# Altium PCB FlatLamp.PcbDoc
Units mm, origin at the board's own origin, x right, y up, seen from the top; angles counter-clockwise.
Board outline 40.02 x 40.01 mm, 2 copper layers (Top Layer, Bottom Layer); 38 components, 24 nets, 162 pads, 19 vias.
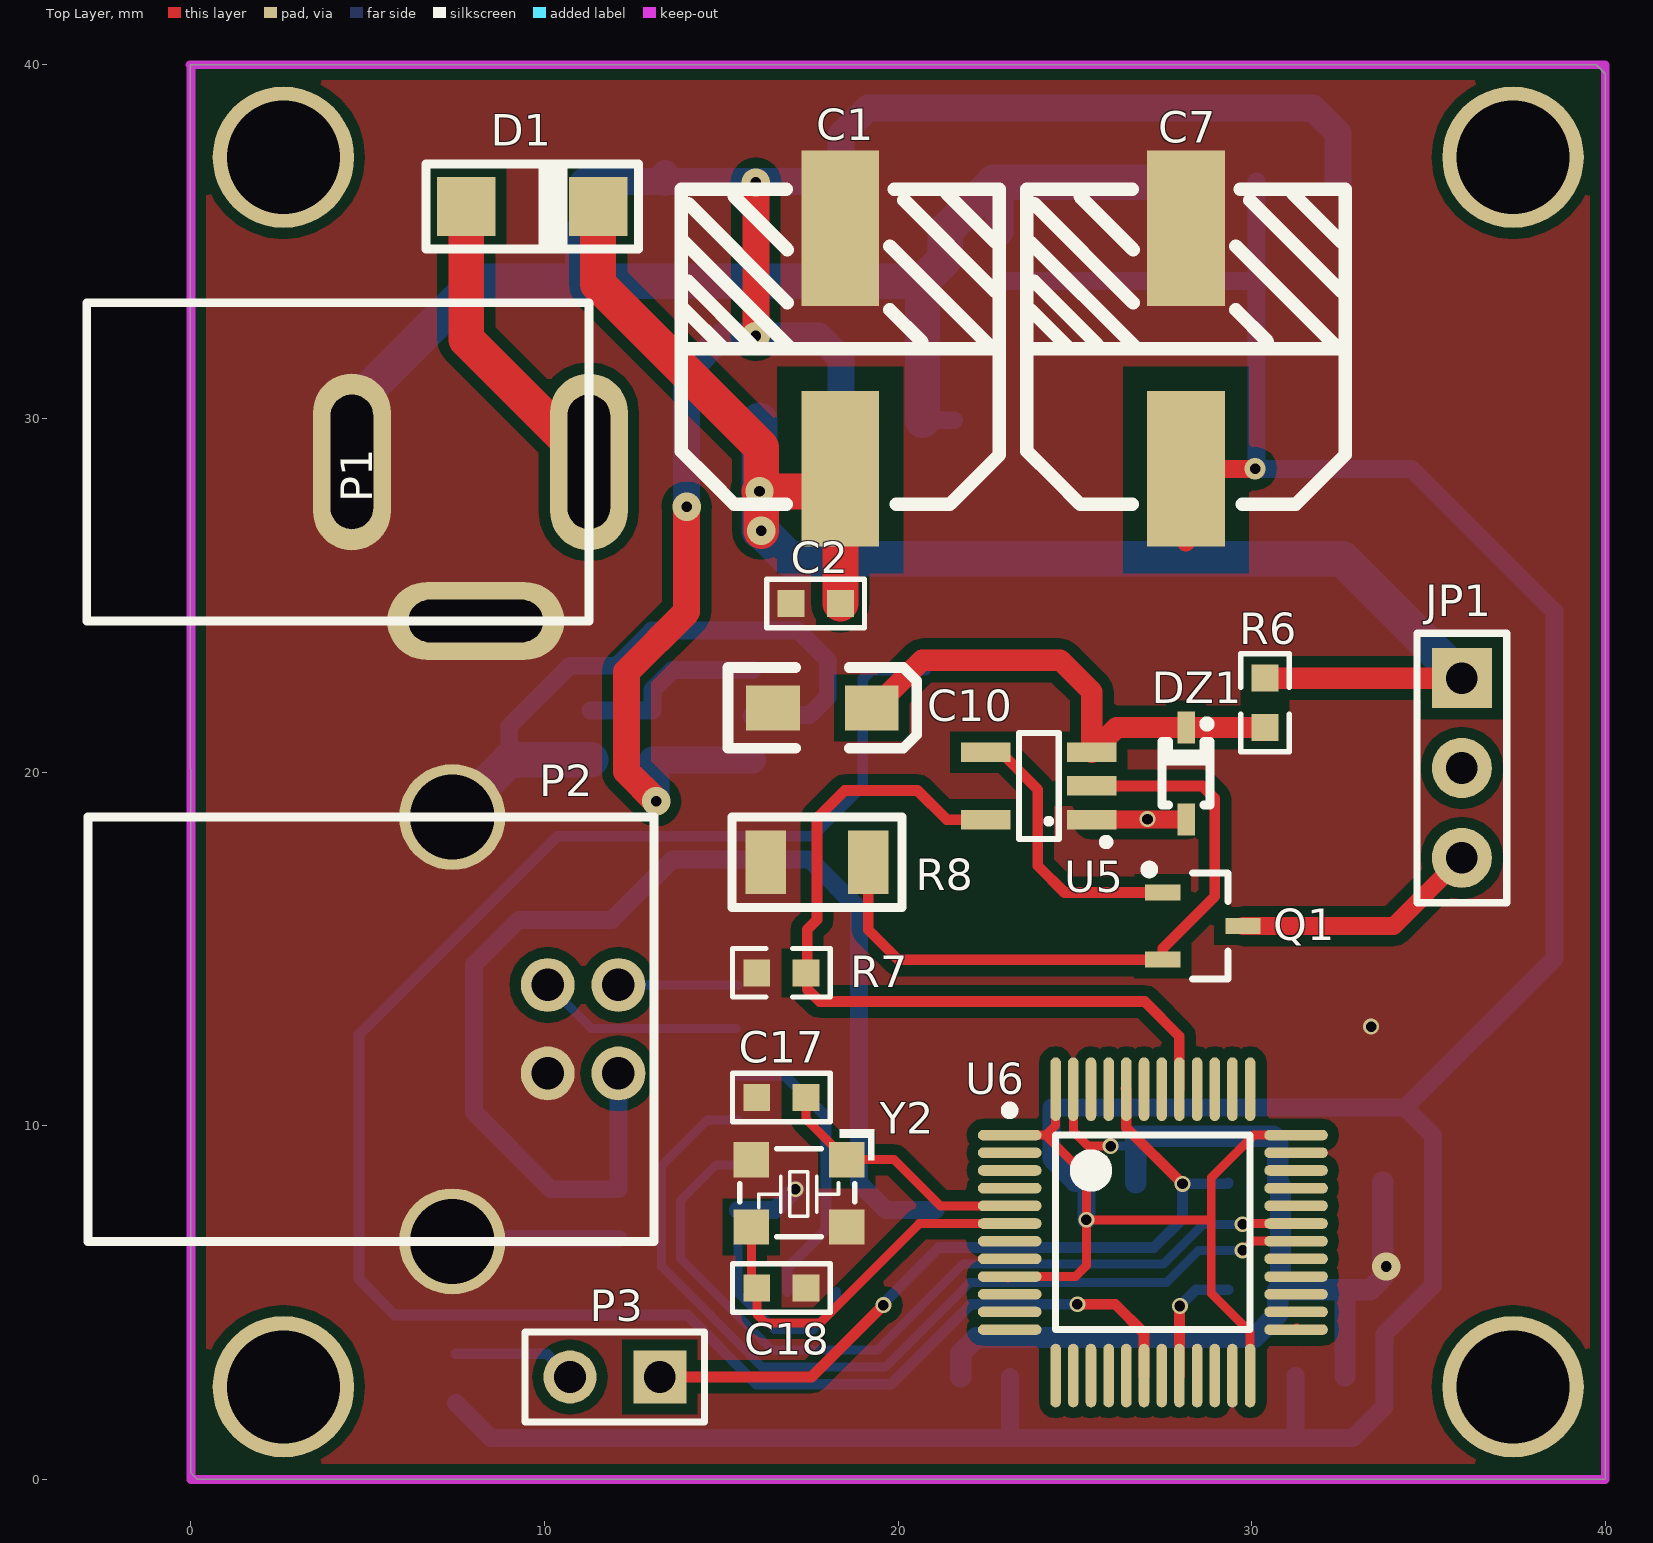
[diagram p0: Top Layer view]
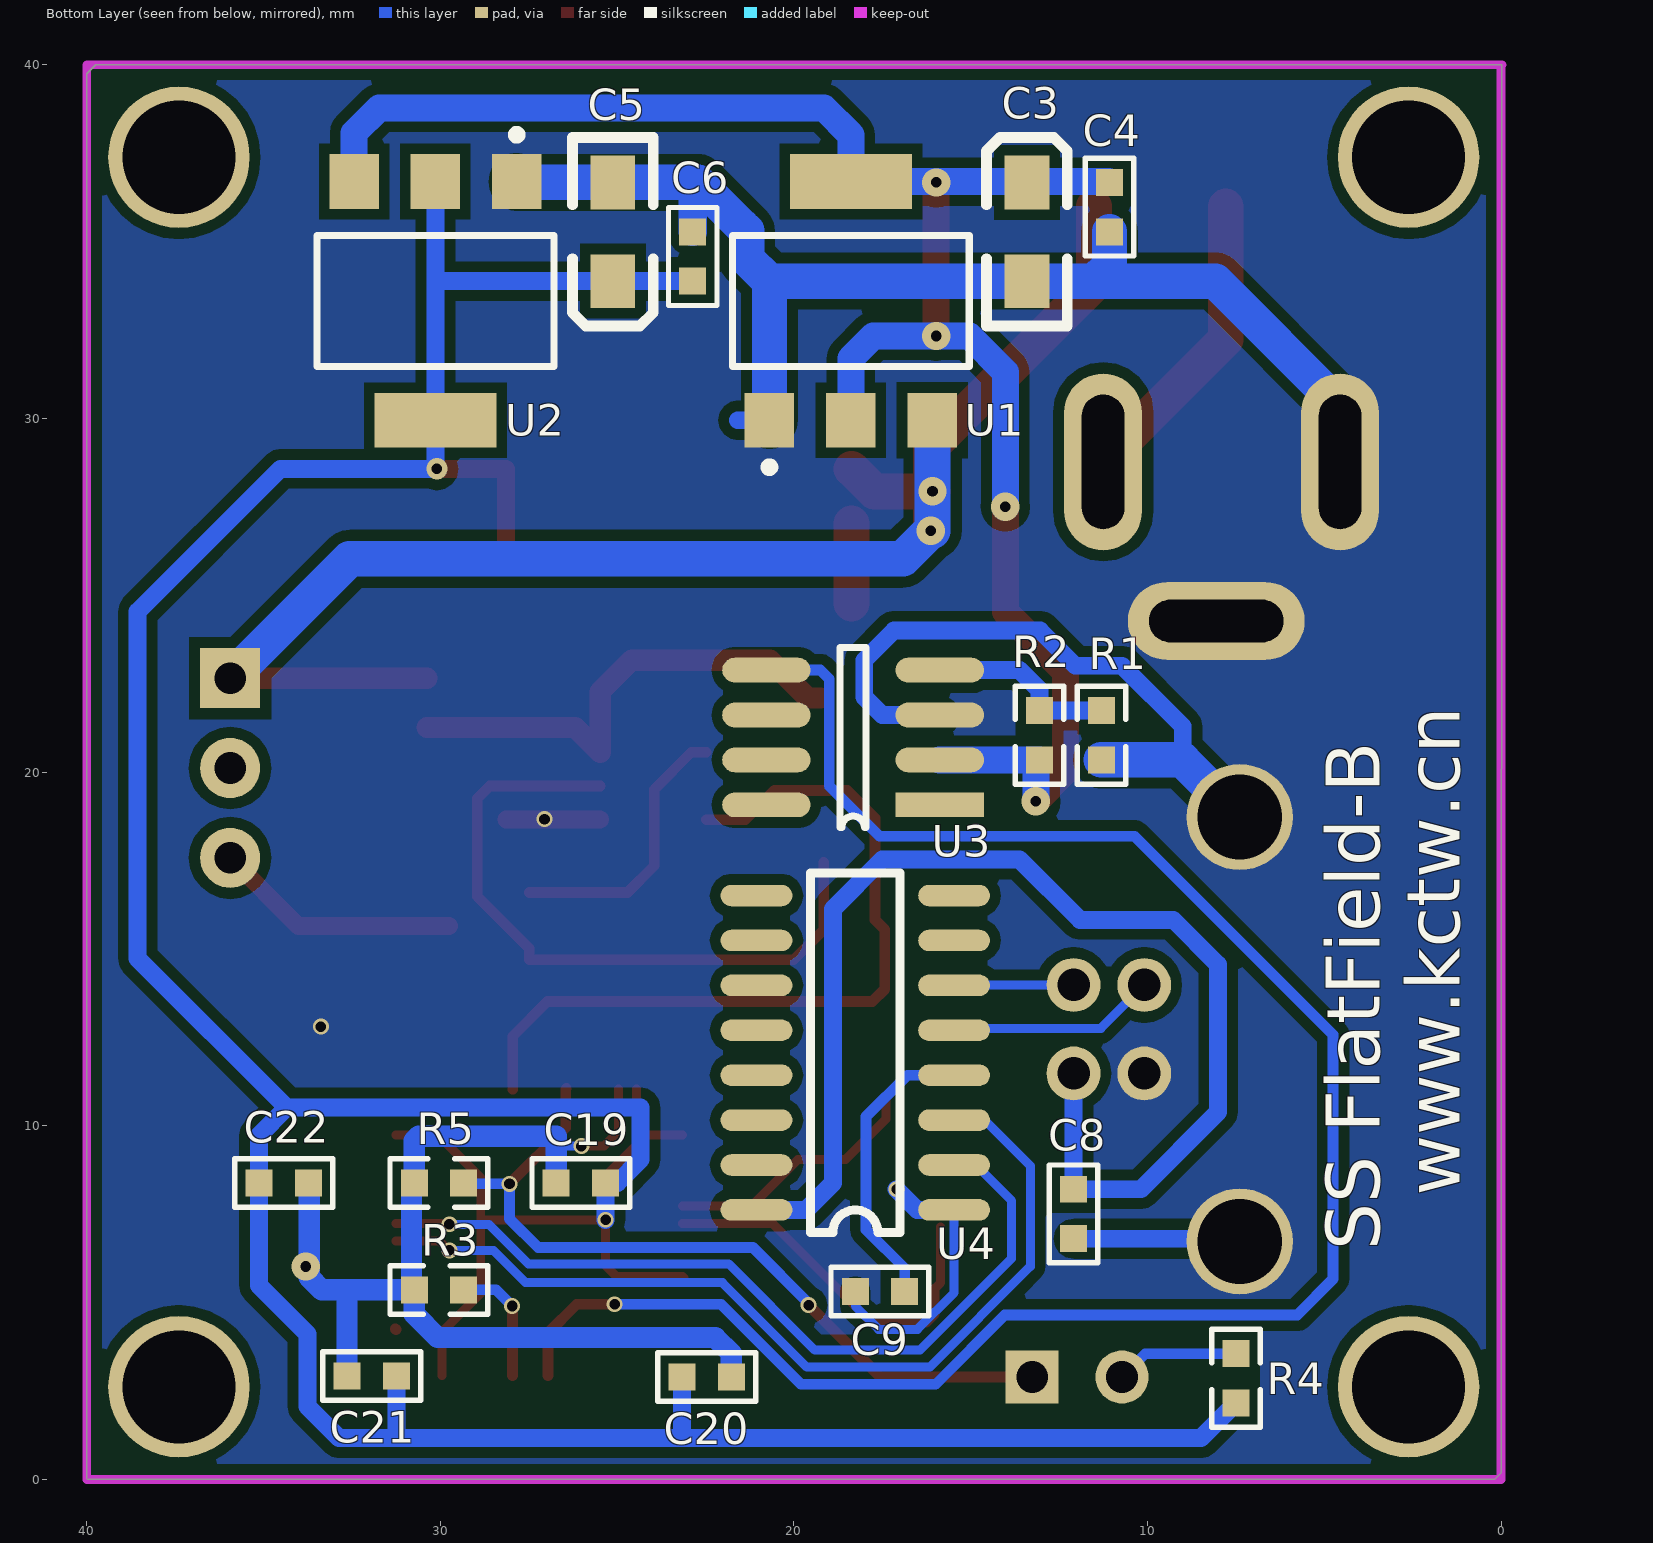
[diagram p1: Bottom Layer view, seen from below]

## Layer stack, top to bottom
Top Solder: solder mask 0.0102, Solder Resist, Dk 3.5
Top Layer: signal copper 0.0356
Dielectric1: dielectric 0.32, FR-4, Dk 4.8
Bottom Layer: signal copper 0.0356
Bottom Solder: solder mask 0.0102, Solder Resist, Dk 3.5

## Board outline
0,0.178 0.178,0 39.997,0 39.997,39.749 39.741,40.005 -0.02,40.005

## Design rules (kind name [scope] priority, off if disabled: settings)
Clearance Clearance_pyog [InPolygon] p1: gap=0.305
Clearance Clearance_mcu [InComponentClass('U7')] p2: gap=0.178
Clearance [All] p3: gap=0.178
HoleSize [All] p1: absolutevalues=TRUE maxlimit=25.4 minlimit=0.025 maxpercent=80.000 minpercent=20.000
MinimumSolderMaskSliver [All] p1: minsoldermaskwidth=0
PolygonConnect GNDVIA [IsVia] p1: connectstyle=Direct reliefconductorwidth=0.254 reliefentries=4 polygonreliefangle="90 Angle" airgapwidth=0.254
PolygonConnect [All] p2: connectstyle=Direct reliefconductorwidth=0.254 reliefentries=4 polygonreliefangle="90 Angle" airgapwidth=0.254
RoutingVias [All] p1: holewidth=0.711 width=1.27 viastyle="Through Hole" minholewidth=0.3 minwidth=0.45 maxholewidth=0.711 maxwidth=1.27
SilkToSilkClearance [All] p1: silktosilkclearance=0
SilkToSolderMaskClearance [IsPad] p1: minsilkscreentomaskgap=0 clearancetoexposedcopper=TRUE
SolderMaskExpansion [All] p1: expansion=0.102
Width [All] p1: maxlimit=1.27 minlimit=0.254 preferedwidth=0.254
25 further rules are at their usual default settings.

## Components (designator, comment, footprint, x,y, rotation, side; value= is the part's Value field where it differs from the comment)
C1 "470uF" 16V/470U(CD10X10D5) 18.364,31.979 r90 top locked
C2 "100nF" 0603C 16.967,24.765 r0 top
C3 "10uF" 3216 13.411,36.678 r90 bottom
C4 "100nF" 0603C 11.074,35.281 r90 bottom
C5 "10uF" 3216 25.121,33.884 r270 bottom
C6 "100nF" 0603C 22.86,35.281 r270 bottom
C7 "1000uF" 16V/470U(CD10X10D5) 28.143,31.979 r90 top locked
C8 "100nF" 0603C 12.09,6.807 r90 bottom
C9 "100nF" 0603C 18.263,5.309 r180 bottom
C10 "4.7uF" 3216 19.253,21.819 r0 top
C17 "20pF" 0603C 17.399,10.795 r180 top
C18 "20pF" 0603C 16.002,5.41 r0 top
C19 "100nF" 0603C 26.721,8.382 r180 bottom
C20 "100nF" 0603C 21.768,2.896 r0 bottom
C21 "100nF" 0603C 32.639,2.921 r180 bottom
C22 "100nF" 0603C 33.731,8.382 r0 bottom
D1 "M7" DO-214AC 9.652,35.992 r0 top
DZ1 "Zener 5V" SOD-323 28.143,19.964 r90 top (schematic designator DZ?)
JP1 "HDR-1X3" HDR2.54-LI-3P 35.941,20.117 r270 top
P1 "SOURCE" DC_5.5MM -2.946,33.274 r0 top locked
P2 "USB-B" USB-B 12.09,11.481 r0 top locked
P3 "BOOT0" HDR1X2 13.259,2.896 r180 top locked
Q1 "SI2302" SOT23-3L 28.626,15.646 r270 top
R1 "2K" 0603R 11.303,21.742 r270 bottom
R2 "4.7K" 0603R 13.056,21.742 r270 bottom
R3 "10K" 0603R 30.734,5.359 r180 bottom
R4 "4.7K" 0603R 7.493,3.556 r270 bottom
R5 "10K" 0603R 29.337,8.382 r0 bottom
R6 "1K" 0603R 30.378,22.657 r270 top
R7 "10K" 0603R 16.002,14.326 r0 top
R8 "10K" 1206 17.704,17.45 r180 top
U1 "AMS1117-5.0" SOT223 18.39,33.325 r180 bottom
U2 "AMS1117-3.3" SOT223 30.136,33.325 r0 bottom
U3 "MAX813LCSA" SOP-8 15.875,19.075 r0 bottom
U4 "CH340C" SO-16 15.469,7.62 r0 bottom
U5 "QX7138" SOT23-5M 23.978,19.609 r90 top
U6 "STM32F103C8T6" LQFP48_N 27.203,6.985 r270 top locked
Y2 "8MHz  无源" X3225 18.517,9.068 r180 top

## Footprints (in the part's own frame and the unit in brackets; to place one, negate y for a bottom-side part, rotate by r counter-clockwise, add the part's x,y. Pads: shape width x height; smd on the part's side, far side on the other; paste and mask are expansions set on the pad)
16V/470U(CD10X10D5) [mm] "取自《FE-3AD》"
  rect 4.4x2.2 smd: 1(-3.4,0) 2(3.4,0)
  Top Layer pour cut-out: -6.35,1.778 -0.508,1.778 -0.508,-1.778 -6.35,-1.778
  silkscreen extent -4.4,-4.5 4.5,4.5
0603C [mil]
  rect 30x30 smd: 1(0,0) 2(55,0)
  silkscreen extent -27,-27 82,27, body extent -4,-16 58,16, height 12
0603R [mil]
  rect 30x30 smd: 1(0,0) 2(55,0)
  silkscreen extent -27,-27 82,27, body extent -4,-18 58,16, height 18
1206 [mm] "SMD, 1206"
  rect 1.15x1.8 smd: 1(-1.45,0) 2(1.45,0)
  silkscreen extent -2.4,-1.28 2.4,1.28, body extent -1.6,-0.8 1.6,0.8, height 0.55
3216 [mil]
  rect 60x50 smd: 1(0,0) 2(-110,0)
  silkscreen extent -160,-45 50,45, body extent -151,-35 38,36, height 73
DC_5.5MM [mm]
  oval 2.2x5 hole 1.2 slot 3.8 at 90 deg: 1(14.2,-4.5) 2(7.5,-4.5)
  oval 5x2.2 hole 1.2 slot 3.8 at 0 deg: 3(11,-9)
  silkscreen extent 0,-9 14.2,0, body extent -0.1,-8.88 14.1,-0.12, height 10.82
DO-214AC [mm]
  rect 1.655x1.67 smd: 1(1.865,0) 2(-1.865,0)
  silkscreen extent -3,-1.2 3,1.2, body extent -2.74,-1.4 2.74,1.4, height 2.3
HDR1X2 [mm] "Connector; Header; 2 Position"
  rect 1.5x1.5 hole 0.9: 1(0,0)
  round 1.5 hole 0.9: 2(2.54,0)
  silkscreen extent -1.27,-1.27 3.81,1.27, body extent -1.27,-1.27 3.81,1.27, height 7.58
HDR2.54-LI-3P [mm] "排针，3脚"
  rect 1.7x1.7 hole 0.9: 1(-2.54,0)
  round 1.7 hole 0.9: 2(0,0) 3(2.54,0)
  silkscreen extent -3.81,-1.27 3.81,1.27, body extent -3.81,-1.27 3.81,1.27, height 8.5
LQFP48_N [mm]
  oval 0.3x1.8 smd: 1(-2.75,-4.05) 2(-2.25,-4.05) 3(-1.75,-4.05) 4(-1.25,-4.05) 5(-0.75,-4.05) 6(-0.25,-4.05) 7(0.25,-4.05) 8(0.75,-4.05) 9(1.25,-4.05) 10(1.75,-4.05) 11(2.25,-4.05) 12(2.75,-4.05) 25(2.75,4.05) 26(2.25,4.05) 27(1.75,4.05) 28(1.25,4.05) 29(0.75,4.05) 30(0.25,4.05) 31(-0.25,4.05) 32(-0.75,4.05) 33(-1.25,4.05) 34(-1.75,4.05) 35(-2.25,4.05) 36(-2.75,4.05)
  oval 1.8x0.3 smd: 13(4.05,-2.75) 14(4.05,-2.25) 15(4.05,-1.75) 16(4.05,-1.25) 17(4.05,-0.75) 18(4.05,-0.25) 19(4.05,0.25) 20(4.05,0.75) 21(4.05,1.25) 22(4.05,1.75) 23(4.05,2.25) 24(4.05,2.75) 37(-4.05,2.75) 38(-4.05,2.25) 39(-4.05,1.75) 40(-4.05,1.25) 41(-4.05,0.75) 42(-4.05,0.25) 43(-4.05,-0.25) 44(-4.05,-0.75) 45(-4.05,-1.25) 46(-4.05,-1.75) 47(-4.05,-2.25) 48(-4.05,-2.75)
  silkscreen extent -3.57,-4.17 2.75,2.75, body extent -4.5,-4.5 4.5,4.5, height 1.5
SO-16 [mil]
  oval 80x24 smd: 1(0,0) 2(0,-50) 3(0,-100) 4(0,-150) 5(0,-200) 6(0,-250) 7(0,-300) 8(0,-350) 9(220,-350) 10(220,-300) 11(220,-250) 12(220,-200) 13(220,-150) 14(220,-100) 15(220,-50) 16(220,0)
  silkscreen extent 60,-375 160,25, body extent -12,-377 226,29, height 77
SOD-323 [mm] "SOD-323"
  rect 0.9x0.5 smd: 1(-1.3,0) 2(1.3,0)
  silkscreen extent -0.9,-0.67 1.49,0.67, body extent -1.35,-0.62 1.35,0.63, height 1.1
SOP-8 [mm]
  rect 2.5x0.7 smd: 1(0,0)
  oval 2.5x0.7 smd: 2(0,-1.27) 3(0,-2.54) 4(0,-3.81) 5(4.9,-3.81) 6(4.9,-2.54) 7(4.9,-1.27) 8(4.9,0)
  silkscreen extent 2.08,-4.44 2.82,0.64, body extent -0.56,-4.44 5.48,0.58, height 1.6
SOT23-3L [mm] "3x1.3x1mm(长宽高)"
  rect 0.45x1 smd: 1(-0.95,-1.143) 2(0.95,-1.143) 3(0,1.125)
  silkscreen extent -1.72,-1.65 1.5,0.7, body extent -1.5,-1.2 1.5,1.2, height 1.05
SOT23-5M [mm] "3x1.6x1.1mm(长宽高)"
  rect 0.55x1.4 smd: 1(-0.95,-1.5) 2(0,-1.5) 3(0.95,-1.5) 4(0.95,1.5) 5(-0.95,1.5)
  silkscreen extent -1.66,-1.98 1.5,0.56, body extent -1.5,-1.4 1.5,1.4, height 1.15
SOT223 [mm] "SOT-223/SC-73; 4 Leads; Body 6.7 x 7.3 mm, inc. leads (LxW max)"
  rect 1.4x1.55 smd: 1(-2.3,-3.375) 2(0,-3.375) 3(2.3,-3.375)
  rect 3.45x1.55 smd: 4(0,3.375)
  silkscreen extent -3.35,-4.82 3.35,1.85, body extent -3.25,-3.53 3.25,3.43, height 1.7
USB-B [mm]
  round 1.524 hole 0.92: 1(0,0) 2(0,2.5) 3(-2,2.5) 4(-2,0)
  round 3 hole 2.4: 5(-4.7,7.25) 6(-4.7,-4.75)
  silkscreen extent -15,-4.75 1,7.25
X3225 [mm]
  rect 1x1 smd: 1(-0.025,0.025) 2(2.667,0.025) 3(2.667,1.93) 4(-0.025,1.93)
  silkscreen extent -0.81,-0.84 3,2.21, body extent -0.23,-0.29 2.97,2.21, height 0.72

## Part data
C1: library part C470UF016S, "470UF      16V      CD10X10D5"
C2 C4 C6 C8 C17 C18 C19 C20 C21 C22: library part Cap, "Capacitor"
C3 C5 C7 C10: library part CAP2
C9: library part C
D1: library part Diode, "High Conductance Fast Diode"
DZ1: library part 1N4106, "12V/0.5W稳压管"
JP1: library part "Header 3", "3P接插件"
P3: library part MHDR1X2, "Header, 2-Pin"
Q1: "N沟道场效应管"
R1 R2 R5 R6 R7 R8: library part RES, "Resistor"
R3 R4: library part R
U1 U2: library part AMS1117
U3: library part MAX813L
U4: library part CH340G, "USB2UART"
U6: "STM32 ARM-based 32-bit MCU Performance Line with 64 kB Flash, 20 kB Internal RAM, -40 to +85癈 Temperature, 48-Pin LQFP, Tray"
Y2: library part XTAL_1, "Crystal Oscillator"

## Free pads (board coordinates)
  round 4 hole 3.2: 0(2.616,2.616) 1(37.389,2.616) 2(37.389,37.389) 3(2.616,37.389)

## Via types
v1: diameter 0.45, hole 0.3, Top Layer to Bottom Layer, 11 vias
v2: diameter 0.8, hole 0.3, Top Layer to Bottom Layer, 7 vias
v3: diameter 0.6, hole 0.3, Top Layer to Bottom Layer, 1 vias

## Nets (pads, with @x,y where several pads share a name; then routed paths per layer and width w, separated by ;. In a path a pad name is that pad's centre, name@x,y a point inside that pad or via, vN(x,y) a via of type N, cw(c..) or ccw(c..) an arc to the next point about the centre after c; other vN are vias at no path point)
BOOT0: P3.1 R5.1 U6.44 | length 22.3
  Top Layer w0.305: P3.1 17.551,2.896 v1(19.583,4.928) ; U6.44@26.434,11.055 U6.44 26.453,9.945 v1(28.042,8.357)
  Bottom Layer w0.305: v1@19.558,4.953 21.158,6.553 27.229,6.553 28.042,7.366 v1(28.042,8.357) 29.312,8.357 R5.1
BOOT1: R3.2 U6.20 | length 3.5
  Top Layer w0.305: U6.20 v1@27.953,4.89
  Bottom Layer w0.305: v1(27.965,4.902) 28.423,5.359 R3.2
CS: Q1.2 R8.1 U5.2 | length 19.4
  Top Layer w0.3: R8.1 19.154,15.545 20.002,14.696 Q1.2 27.483,15.011 28.956,16.485 28.956,19.253 28.6,19.609 U5.2
D3V3: C5.1 C6.2 C7.1 C19.2 C20.2 C21.2 C22.2 R4.2 U2.2 U2.4 U6.1 U6.9 U6.24 U6.36 U6.48 | length 120.3
  Top Layer w0.254: U6.9@23.108,5.69 U6.9 25.014,5.735 25.324,6.045 v1(25.324,7.341) ; U6.1 24.174,9.735 ; U6.48 24.453,10.014 24.174,9.735 ; 28.854,7.341 v1(25.324,7.341) ; U6.24 29.953,4.159 28.854,5.258 28.854,8.534 30.055,9.735 U6.36 ; 24.174,9.735 25.324,8.585 v1(25.324,7.341)
  Top Layer w0.508: C7.1@28.143,26.492 C7.1 v3(30.095,28.579)
  Bottom Layer w0.508: R4.2 8.484,1.168 23.165,1.168 ; C6.2 C5.1 30.11,33.884 30.136,33.909 ; C20.2 23.165,1.168 ; v1(25.324,7.341) C19.2 24.994,8.382 24.333,9.042 24.333,10.516 34.341,10.516 ; v3(30.095,28.579) v3@30.128,28.579 ; U2.2 30.136,33.909 ; 31.242,1.245 C21.2 ; 35.128,7.163 35.128,5.486 33.757,4.115 33.757,2.057 32.868,1.168 23.165,1.168 ; 35.128,7.214 C22.2 35.128,9.728 34.341,10.516 ; v3@30.128,28.579 30.136,28.586 U2.4 30.136,33.909 ; v3@30.128,28.579 34.515,28.579 38.557,24.536 38.557,14.732 34.341,10.516
D5V0: C3.1 C4.2 R2.2 U1.2 U1.4 U2.3 U3.2 | length 53.3
  Top Layer w0.762: v2(13.157,19.177) 12.319,20.015 12.319,22.835 14.021,24.536 v2(14.021,27.508) ; v2(15.977,32.334) v2(15.977,36.678)
  Bottom Layer w0.762: C4.2@11.097,36.7 C3.1@13.411,36.7 ; v2(13.157,19.177) 13.157,20.244 R2.2 U3.2 ; C3.1 C3.1@13.411,36.7 ; C3.1@13.411,36.932 C3.1@13.411,36.7 ; v2(14.021,27.508) 14.021,31.318 15.037,32.334 v2(15.977,32.334) 17.755,32.334 18.39,31.699 U1.2 ; U2.3 32.436,38.075 31.725,38.786 19.152,38.786 18.39,38.024 U1.4 C3.1@13.411,36.7
D12V0: C1.1 C2.2 D1.1 JP1.1 R6.1 U1.3 | length 46.1
  Top Layer w0.6: R6.1 JP1.1
  Top Layer w1.016: D1.1 11.517,33.797 16.129,29.185 v2@16.129,27.94 ; v2(16.078,27.94) v2@16.129,27.94 ; v2(16.129,26.822) v2@16.129,27.94 ; C2.2 C1.1@18.364,27.026 ; C1.1 17.726,27.94 v2@16.129,27.94
  Bottom Layer w1.016: v2@16.078,26.822 v2(16.078,27.94) U1.3@16.078,29.938 ; v2(16.129,26.822) 16.916,26.035 32.563,26.035 JP1.1
DIM: R7.2 U5.5 U6.41 | length 23
  Top Layer w0.3: U5.5 21.372,18.659 20.549,19.482 18.491,19.482 17.704,18.694 17.704,15.824 17.424,15.545 17.424,13.868 17.78,13.513 26.975,13.513 27.953,12.534 U6.41
GND: C1.2 C2.1 C3.2 C4.1 C5.2 C6.1 C7.2 C8.1 C9.1 C10.2 C17.2 C18.2 C19.1 C20.1 C21.1 C22.1 DZ1.1 P1.2 P1.3 P2.4 P2.5 P2.6 R1.2 R3.1 R5.2 R7.1 R8.2 U1.1 U2.1 U3.3 U4.1 U5.1 U6.8 U6.23 U6.35 U6.47 Y2.2 Y2.4 | length 102.4
  Top Layer w0.254: U6.47 24.953,9.845 25.375,9.423 v1(26.01,9.423)
  Top Layer w0.5: U5.1 DZ1.1@28.138,18.659
  Top Layer w1: P1.2@4.554,27.774 P1.2 ; P2.5@6.745,18.731 P2.5
  Bottom Layer w0.254: U4.1@15.469,7.442 15.469,5.283 16.51,4.242 17.602,4.242 18.263,4.902 C9.1 ; v1(26.01,9.423) 26.441,9.423 26.721,9.703 ; C22.1@33.63,8.484 C22.1
  Bottom Layer w0.5: P2.6 7.467,6.807 C8.1 ; 9.005,20.345 9.005,21.299 10.719,23.012 12.04,23.012 13.03,24.003 17.17,24.003 18.009,23.165 18.009,22.123 17.501,21.615 U3.3 U3.3@15.85,21.59 ; U1.1 21.587,29.95
  Bottom Layer w0.508: U4.1 16.51,7.62 v1(17.094,8.204)
  Bottom Layer w0.6: C20.1 21.768,3.556 22.225,4.013 30.074,4.013 30.734,4.674 R3.1 32.639,5.359 ; C19.1 26.721,9.703 30.607,9.703 30.734,9.576 R5.2 ; R3.1@30.81,5.436 R5.2@30.81,8.306 ; C21.1 32.639,5.359 ; C22.1@33.706,8.407 33.706,5.715 33.35,5.359 32.639,5.359
  Bottom Layer w0.8: 22.708,36.678 22.86,36.525 C6.1
  Bottom Layer w1: P1.2@4.496,30.302 8.077,33.884 11.506,33.884 ; P2.5 9.005,20.345 R1.2 ; C4.1 11.074,34.315 11.506,33.884 ; U1.1 20.69,33.884 ; 21.336,35.306 21.336,34.53 20.69,33.884 ; 21.476,35.446 22.708,36.678 C5.2 27.813,36.678 U2.1 ; 11.506,33.884 C3.2 20.69,33.884
  other v1: 33.376,12.802 27.051,18.669
  other v2: 33.807,6.02
NetC9_2: C9.2 U4.4 | length 8.4
  Bottom Layer w0.305: U4.4 16.789,11.43 17.958,10.262 17.958,7.061 16.866,5.969 C9.2
NetC10_1: C10.1 DZ1.2 R6.2 U5.3 | length 13.9
  Top Layer w0.6: C10.1@19.253,22.098 19.609,22.098 20.676,23.165 24.587,23.165 25.478,22.274 U5.3 26.183,21.264 DZ1.2 ; DZ1.2@28.148,21.26 R6.2
NetD1_1: D1.2 P1.1 | length 8.7
  Top Layer w1.016: D1.2 7.787,32.241 P1.1
NetP2_2: P2.2 U4.6 | length 3.4
  Bottom Layer w0.254: P2.2 15.458,13.981 U4.6
NetP2_3: P2.3 U4.5 | length 5.8
  Bottom Layer w0.254: P2.3 11.32,12.751 U4.5@15.418,12.751
NetP3_2: P3.2 R4.1 | length 3.5
  Bottom Layer w0.3: R4.1 10.058,3.556 P3.2
NetQ1_1: Q1.1 U5.4 | length 7.9
  Top Layer w0.3: U5.4 22.901,20.559 23.952,19.507 23.952,17.348 24.704,16.596 Q1.1
NetR1_1: R1.1 R2.1 U3.4 | length 5.4
  Bottom Layer w0.508: R1.1 R2.1 13.056,22.327 13.614,22.885 U3.4
OGND: JP1.3 Q1.3 | length 7
  Top Layer w0.5: Q1.3 34.011,15.646 JP1.3
OSC_IN: C17.1 U6.5 Y2.1 | length 7.4
  Top Layer w0.254: C17.1 17.399,10.185 Y2.1 19.888,9.042 21.196,7.735 U6.5
OSC_OUT: C18.1 U6.6 Y2.3 | length 10.9
  Top Layer w0.254: Y2.3 15.85,5.563 C18.1 16.002,4.674 16.256,4.42 17.78,4.42 20.595,7.235 U6.6
PFO: U3.5 U6.18 | length 54.9
  Top Layer w0.305: v1(25.07,4.953) 26.137,4.953 26.953,4.136 U6.18
  Bottom Layer w0.305: U3.5 19.253,22.885 18.999,22.631 18.999,19.609 17.577,18.186 10.363,18.186 4.75,12.573 4.75,5.664 5.766,4.648 14.035,4.648 15.99,2.692 19.798,2.692 22.059,4.953 v1(25.07,4.953)
RESET: U6.7
RXD: U4.3 U6.30 | length 26.1
  Top Layer w0.254: v1(29.743,6.477) 29.756,6.477 30.014,6.735 U6.30
  Bottom Layer w0.254: U4.3 14.605,10.16 13.31,8.865 13.31,6.02 16.154,3.175 19.634,3.175 22.022,5.563 27.584,5.563 28.499,6.477 v1(29.743,6.477)
TXD: U4.2 U6.31 | length 23.6
  Top Layer w0.254: v1(29.743,7.214) 29.765,7.235 U6.31
  Bottom Layer w0.254: U4.2 14.859,8.89 13.843,7.874 13.843,6.248 16.434,3.658 19.406,3.658 21.844,6.096 27.507,6.096 28.625,7.214 v1(29.743,7.214)
VBUS: C8.2 P2.1 U4.16 | length 34.9
  Bottom Layer w0.508: P2.1@12.09,11.049 C8.2 10.185,8.204 8.001,10.389 8.001,14.554 9.271,15.824 11.913,15.824 13.614,17.526 17.501,17.526 18.898,16.129 18.898,8.382 19.66,7.62 U4.16
pads on no net: JP1.2 U3.1 U3.6 U3.7 U3.8 U4.7 U4.8 U4.9 U4.10 U4.11 U4.12 U4.13 U4.14 U4.15 U6.2 U6.3 U6.4 U6.10 U6.11 U6.12 U6.13 U6.14 U6.15 U6.16 U6.17 U6.19 U6.21 U6.22 U6.25 U6.26 U6.27 U6.28 U6.29 U6.32 U6.33 U6.34 U6.37 U6.38 U6.39 U6.40 U6.42 U6.43 U6.45 U6.46
copper on no net: | length 0
  Top Layer w0.305: 31.253,4.235 31.273,4.255

## Polygon pours and split planes (outlines as drawn)
GND on Top Layer "Bottom Layer-No Net" (solid, remove dead copper, pour order 4): 0,0.178 0.102,0.076 39.997,0.076 39.997,40.005 -0.02,40.005
GND on Bottom Layer "Bottom Layer-No Net" (solid, remove dead copper, pour order 6): 0,0.127 39.87,0.127 39.997,0 39.997,40.005 -0.02,40.005

## Keep-outs
Keep-Out Layer:
  lines w0.254: -0.02,40.005 39.997,40.005 39.997,0 0,0 0,40.005

## Silkscreen, mask and mechanical layers (free items; w line width, h text height)
Bottom Overlay:
  text "www.kctw.cn" at 1.168,8.026 h1.52 r270
  text "SS FlatField-B" at 3.429,6.477 h1.52 r270

## Dimensions
0,0 to 39.997,0 on Top Overlay
39.997,40.005 to 39.997,0 on Top Overlay